# Altium PCB PFC_Stage.PcbDoc (part 1 of 5) (continued)
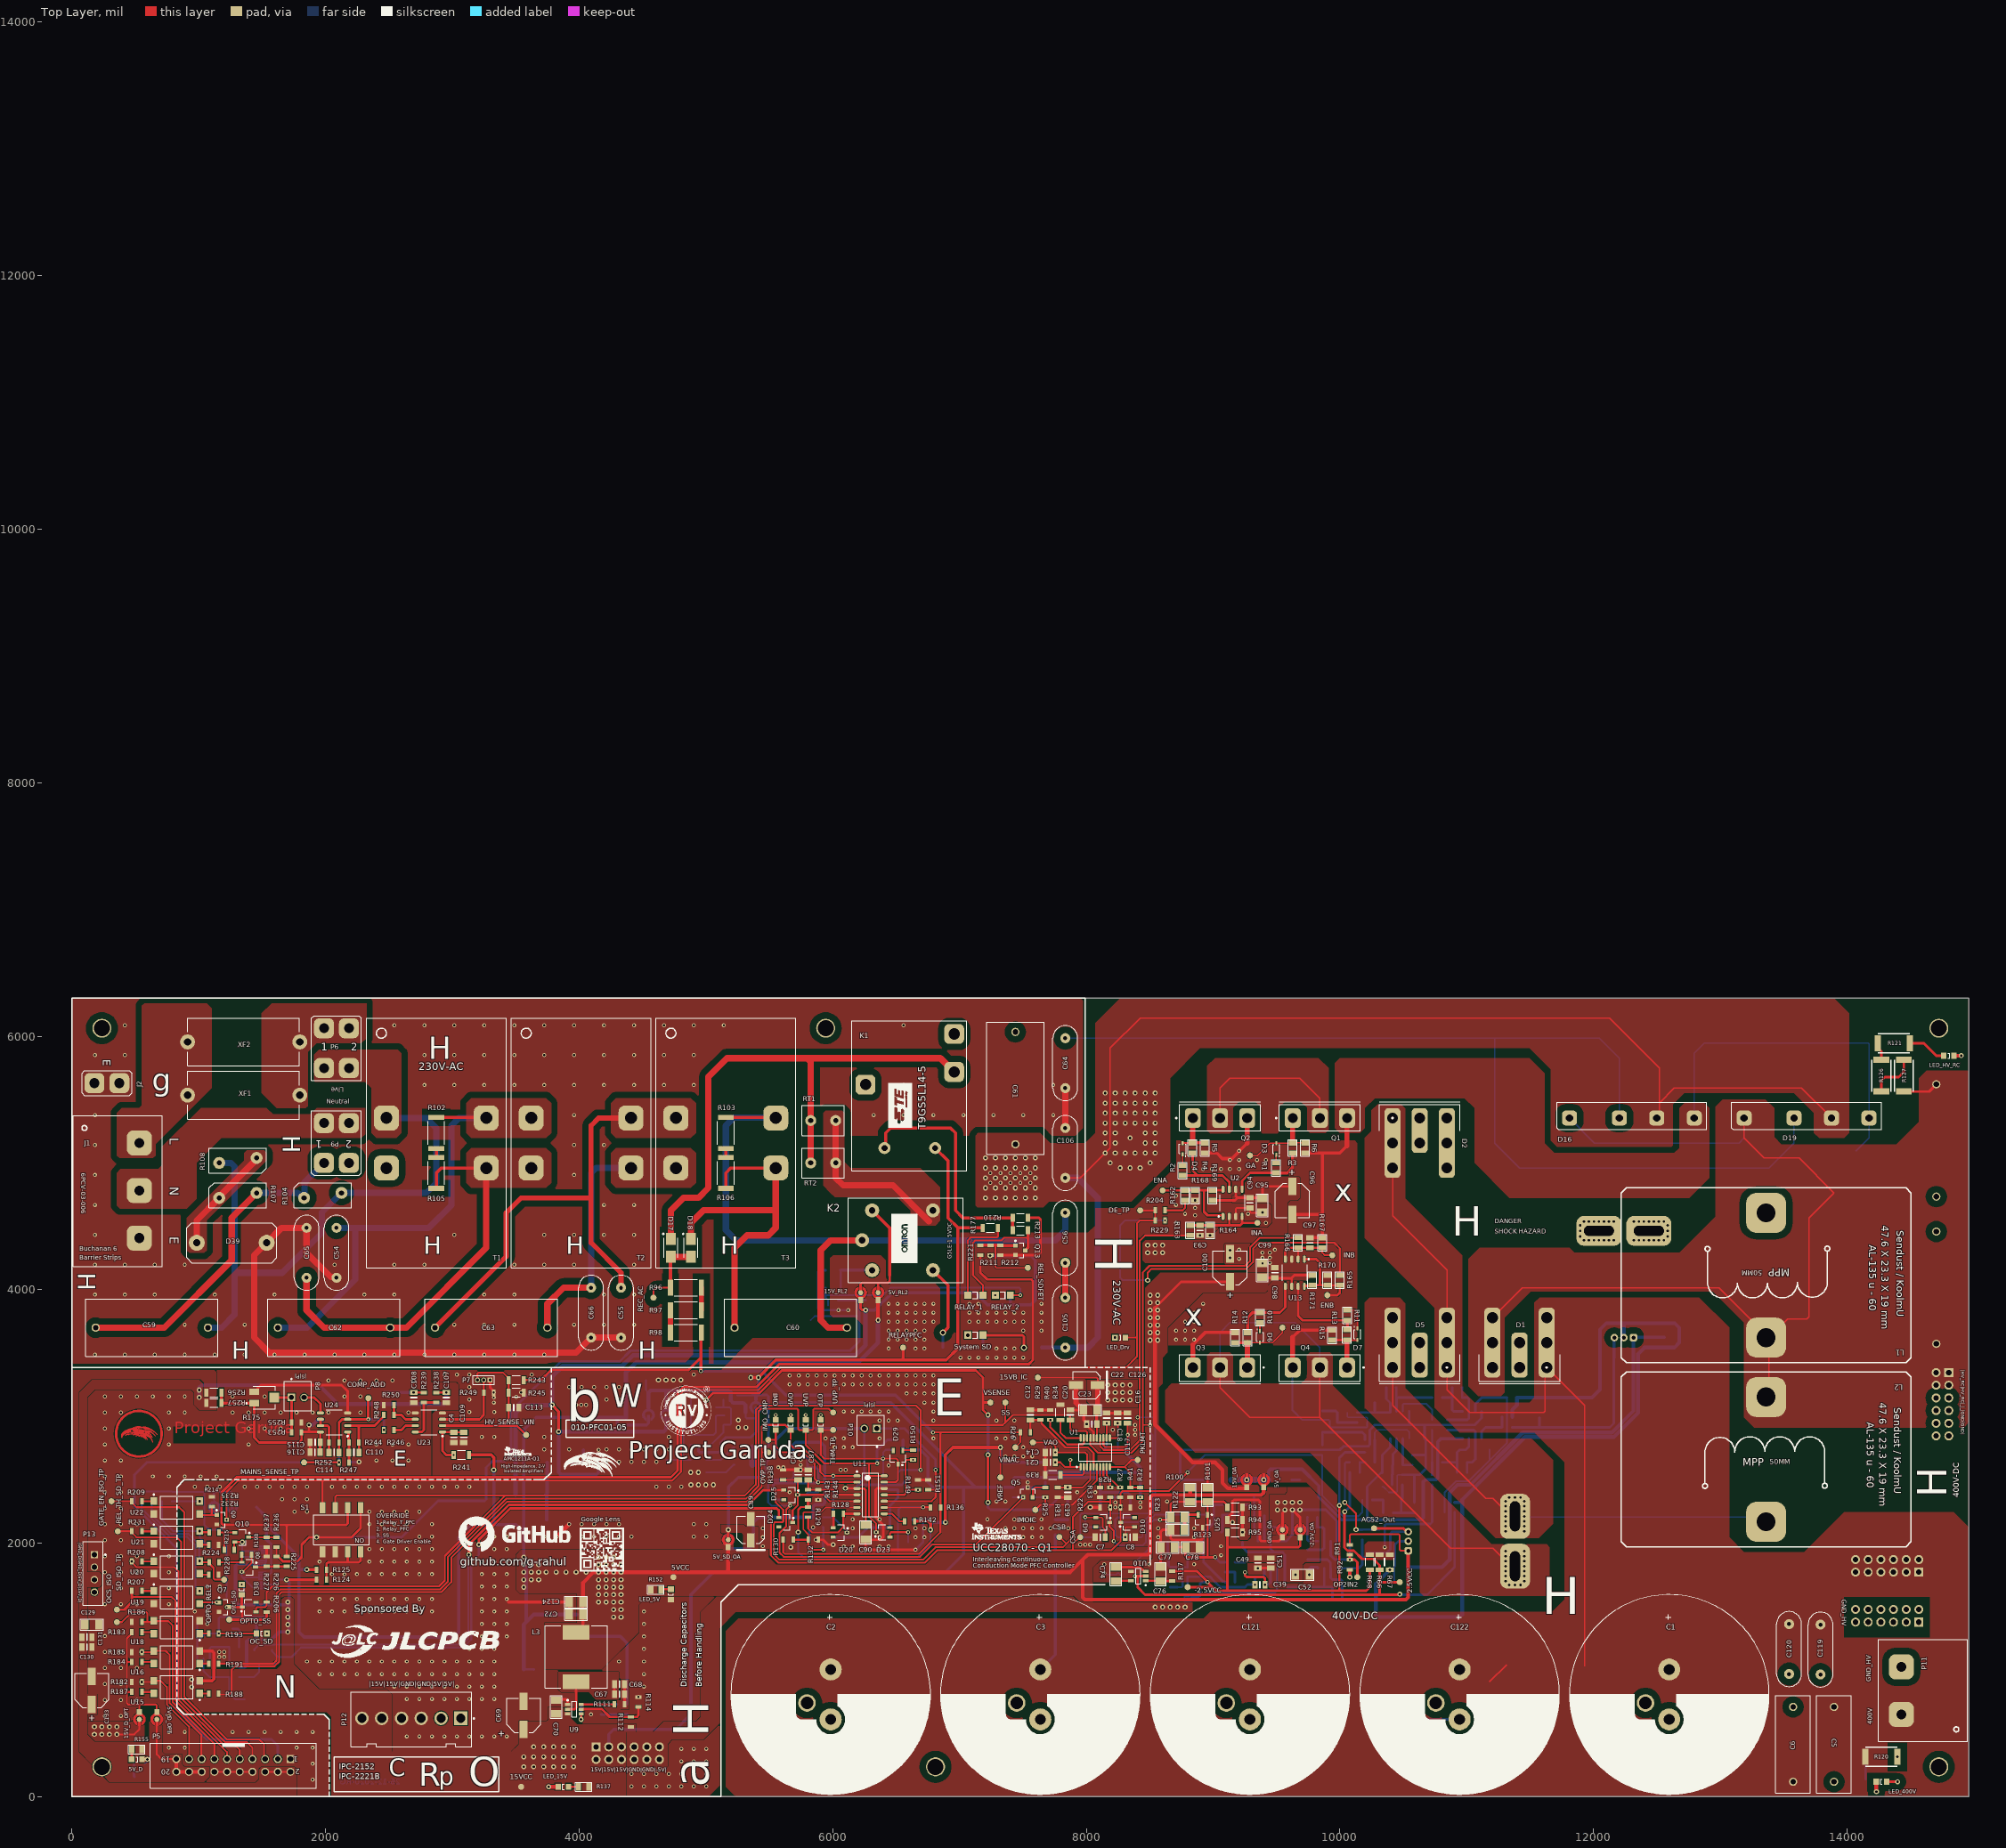
[diagram p0: Top Layer view]
## Components (designator, comment, footprint, x,y, rotation, side; value= is the part's Value field where it differs from the comment) (continued)
CSB "Test Point" Test_point_SMD 7787.4,2049.21 r0 top
D1 "Diode 10TQ035" INF-PG-TO247-2-MOD 11417.32,3385.83 r270 top
D2 "Diode 10TQ035" INF-PG-TO247-2-MOD 10629.92,5354.33 r90 top
D3 "BAS16W" SODFL250X110-2N 9498.99,5111.21 r270 top
D4 "BAS16W" SODFL250X110-2N 8760.49,5112.04 r270 top
D5 "Diode 10TQ035" INF-PG-TO247-2-MOD 10629.92,3385.83 r270 top
D6 "BAS16W" SODFL250X110-2N 9370.05,3628.43 r90 top
D7 "BAS16W" SODFL250X110-2N 10138.25,3648.43 r90 top
D8 "BAS16W" SOT95P278X110-3N 8129.92,2165.35 r0 bottom
D9 "BAS16W" SOT95P278X110-3N 8129.92,2165.35 r0 top
D10 "BAS16W" SOT95P278X110-3N 8326.77,2165.35 r180 top
D11 "BAS16W" SOT95P278X110-3N 8326.77,2165.35 r180 bottom
D12 "SS14" DIOM4226X22N 10413.39,2342.52 r0 bottom
D13 "SS14" DIOM4226X22N 9862.2,2972.44 r90 bottom
D14 "SS14" DIOM4226X22N 8720.47,1909.45 r0 bottom
D15 "SS14" DIOM4226X22N 8996.06,2086.61 r0 bottom
D16 "Bridge1" PB4010 11811.02,5354.33 r0 top
D17 "SS14" DIOM4226X22N 4724.41,4330.71 r90 top
D18 "SS14" DIOM4226X22N 4881.89,4330.71 r90 top
D19 "Bridge1" PB4010 13188.98,5354.33 r0 top
D20 "BAS16W" SOT95P278X110-3N 6058.07,2084.65 r0 top
D21 "BAT54" SOT95P278X110-3N 6058.07,2084.65 r0 bottom
D22 "BAT54" SOT95P278X110-3N 5669.29,2381.89 r0 bottom
D23 "BAS16W" SOT95P278X110-3N 6397.64,2086.61 r180 top
D24 "BAT54" SOT95P278X110-3N 5629.92,2165.35 r0 top
D25 "BAT54" SOT95P278X110-3N 5669.29,2381.89 r0 top
D26 "BAT54" SOT95P278X110-3N 5748.03,2598.43 r0 bottom
D27 "BAT54" SOT95P278X110-3N 6397.64,2086.61 r180 bottom
D28 "BAT54" SOT95P278X110-3N 6398.05,2475.14 r90 bottom
D29 "BAS16W" SOT95P278X110-3N 6515.75,2677.17 r270 top
D30 "SS14" DIOM4226X22N 7578.74,3543.31 r180 bottom
D31 "SS14" DIOM4226X22N 5295.28,2618.11 r180 bottom
D32 "SS14" DIOM4226X22N 5295.28,2755.91 r0 bottom
D35 "BAS16W" SOT95P278X110-3N 1212.94,1287.38 r180 bottom
D36 "BAT54" SOT95P278X110-3N 1476.38,1102.36 r270 bottom
D37 "BAT54" SOT95P278X110-3N 1614.17,1102.36 r270 bottom
D38 "BAT54" SOT95P278X110-3N 1397.64,1496.06 r180 top
D39 "Surge_arrestor" A81-A600X 984.25,4370.08 r0 top
DE_TP "Test Point" Test_point_SMD 8425.2,4625.98 r90 top
ENA "Test Point" Test_point_SMD 8602.36,4783.46 r0 top
ENB "Test Point" Test_point_SMD 9901.57,3956.69 r0 top
GA "Test Point" Test_point_SMD 9291.34,5059.06 r180 top
GATE_EN_ISO_TP "Test Point" Test_point_SMD 311.69,2331.44 r270 top
GB "Test Point" Test_point_SMD 9547.24,3700.79 r0 top
GND_OA "Open" "Solder Bridge - HP" 9547.24,2106.3 r90 top
HV_SENSE_VIN "Test Point" Test_point_SMD 3582.68,2854.33 r90 top
IMO "150080GS75000" 0805_A 5551.18,2933.07 r90 top
IMO_CMP "Test Point" Test_point_SMD 5492.13,2814.96 r90 top
IMOIC "Test Point" Test_point_SMD 7598.43,2263.78 r90 top
INA "Test Point" Test_point_SMD 9350.39,4527.56 r0 top
INB "Test Point" Test_point_SMD 9940.94,4271.65 r0 top
J1 "Header 3" BARRIER_STRIP_3 531.5,5157.48 r270 top
J2 "Socket" SPADE_PCB_TERMINAL_SINGLE 275.59,5629.92 r180 top
J3 "Socket" MOUNTING_HOLE_3MM 236.22,6062.99 r0 bottom
J4 "Socket" MOUNTING_HOLE_3MM 236.22,236.22 r180 bottom
J5 "Socket" MOUNTING_HOLE_3MM 14724.41,6062.99 r180 bottom
J6 "Socket" MOUNTING_HOLE_3MM 14724.41,236.22 r180 bottom
J7 "Socket" Mounting_hole_3mm_no_body 5944.88,6062.99 r180 bottom
J8 "Socket" Mounting_hole_3mm_no_body 6811.02,236.22 r180 bottom
K1 "Relay" Relay_T9GS5L14-5 6408.66,5117.72 r0 top
K2 "Relay" RELAY_OMRON_5V 6791.34,4153.54 r90 top locked
L1 "Transformer_Inductor" PFC_TOROID_MPP 13362.2,3622.05 r90 top
L2 "Transformer_Inductor" PFC_TOROID_MPP 13362.2,3153.54 r270 top
L3 "5.6uH" WE-PD-L 3976.38,1102.36 r90 top locked
LED_5V "150080BS75000" 0805_A 4724.41,1596.46 r90 top
LED_15V "150080GS75000" 0805_A 3875.98,78.74 r0 top
LED_400V "150080RS75000" 0805_A 14271.65,118.11 r0 top
LED_Drv "150080GS75000" 0805_A 8267.72,3622.05 r180 top
LED_HV_RC "150080RS75000" 0805_A 14803.15,5846.46 r180 top
MAINS_SENSE_TP "Test Point" Test_point_SMD 1830.71,2637.8 r90 top
OC_SD "150080GS75000" 0805_A 1496.06,1287.48 r0 top
OC_TRIP "Test Point" Test_point_SMD 990.38,1368.47 r90 bottom
OCS_ISO "Test Point" Test_point_SMD 354.33,1377.95 r270 top
OP1IN2 "Test Point" Test_point_SMD 11181.1,2736.22 r90 bottom
OP2IN2 "Test Point" Test_point_SMD 10137.8,1732.28 r90 top
OPT_REL2 "Test Point" Test_point_SMD 1102.36,1948.82 r0 bottom
OPTO_REL1 "Test Point" Test_point_SMD 1200.79,1712.6 r90 top
OPTO_SS "Test Point" Test_point_SMD 1240.16,1397.64 r90 top
OTP "150080GS75000" 0805_A 5905.51,2933.07 r90 top
OTP_REF "Test Point" Test_point_SMD 6633.86,2657.48 r90 bottom
OV_ISO "Test Point" Test_point_SMD 551.18,905.51 r90 bottom
OVP "150080GS75000" 0805_A 5669.29,2933.07 r90 top
OVP_TP "Test Point" Test_point_SMD 5492.13,2716.54 r90 top
P1 "Header 6X2H" STACKABLE-20MM 14803.15,3346.46 r270 bottom
P2 "Header 6X2H" STACKABLE-20MM 4133.86,393.7 r0 bottom
P3 "Header 6X2H" STACKABLE-20MM 14566.93,1771.65 r180 bottom
P4 "Header 6X2H" STACKABLE-20MM 14566.93,1377.95 r180 bottom
P5 "61202021621" 61202021621 1273.62,246.85 r180 top locked
P6 "Header 2" SPADE_PCB_TERMINAL 2086.61,5905.51 r0 top
P7 "MHDR1X3" MHDR1X3 3298.03,3287.4 r180 top
P8 "MHDR1X2" 61900211121 1780.71,3161.42 r180 top
P9 "Header 2" SPADE_PCB_TERMINAL 2086.61,5157.48 r180 top
P10 "NTC Connector" 61900211121 6299.21,2893.7 r0 top
P11 "Header 2" BARRIER_STRIP_2 14429.13,649.61 r90 top locked
P12 "645006114822" 645006114822 2677.17,610.24 r0 top
P13 "68800411622" 68800411622 165.35,1761.81 r270 top
PKLMT "Test Point" Test_point_SMD 8405.51,2657.48 r90 top
Q1 "SPW47N60C3" INF-PG-TO247-3-44#1 9842.52,5354.33 r90 top
Q2 "SPW47N60C3" INF-PG-TO247-3-44#1 9055.12,5354.33 r90 top
Q3 "SPW47N60C3" INF-PG-TO247-3-44#2 9055.12,3385.83 r270 top
Q4 "SPW47N60C3" INF-PG-TO247-3-44#1 9842.52,3385.83 r270 top
Q5 "ZXMN10A07FTA" DIOD-SOT23-3_D_V 7539.37,2401.57 r90 top
Q6 "BSS84P" SOT95P278X110-3N 5191.93,3167.32 r0 bottom
Q7 "ZXMN10A07FTA" DIOD-SOT23-3_D_V 1200.61,1496.06 r0 top
Q8 "BSS84P" SOT95P278X110-3N 1393.8,1812.43 r0 top
Q9 "ZXMN10A07FTA" DIOD-SOT23-3_D_V 1180.7,2185.77 r0 top
Q10 "BSS84P" SOT95P278X110-3N 1338.58,2047.24 r0 top
Q13 "ZXMN10A07FTA" DIOD-SOT23-3_D_V 7480.32,4311.02 r0 top
Q14 "ZXMN10A07FTA" DIOD-SOT23-3_D_V 6003.94,3877.95 r180 bottom
R1 "4.7" SMD-0805-RES 9497.9,4961.65 r180 top
R2 "4.7" SMD-0805-RES 8759.84,4940.94 r180 top
R3 "4.7" SMD-0805-RES 9625.98,5118.11 r180 top
R4 "4.7" SMD-0805-RES 8838.58,5118.11 r180 top
R5 "10k" SMD-0805-RES 8937.01,5118.11 r180 top
R6 "10k" SMD-0805-RES 9724.41,5118.11 r180 top
R7 "0.05Ohm" WRIS-KSKE_1206_H=0.6mm#1 7755.91,1889.76 r270 bottom
R8 "0.05Ohm" WRIS-KSKE_1206_H=0.6mm#1 7755.91,2125.98 r270 bottom
R9 "0.05Ohm" WRIS-KSKE_1206_H=0.6mm#1 7854.33,2244.09 r270 bottom
R10 "4.7" SMD-0805-RES 9370.08,3779.53 r0 top
R11 "4.7" SMD-0805-RES 10059.06,3799.21 r180 top
R12 "4.7" SMD-0805-RES 9271.65,3622.05 r0 top
R13 "4.7" SMD-0805-RES 10057.13,3643.7 r0 top
R14 "10k" SMD-0805-RES 9173.23,3622.05 r0 top
R15 "10k" SMD-0805-RES 9940.94,3641.73 r0 top
R16 "Res_0805" WRIS-KSKE_0805_H=0.6mm 8110.25,2047.24 r0 bottom value=2.49k
R17 "Res_0805" WRIS-KSKE_0805_H=0.6mm 8345.83,2047.24 r180 bottom value=2.49k
R18 "Res_1206" WRIS-KSKE_1206_H=0.6mm#1 7677.17,2421.26 r270 bottom value=232k
R19 "Res_0805" WRIS-KSKE_0805_H=0.6mm 8149.61,2283.46 r0 bottom value=PP
R20 "Res_0805" WRIS-KSKE_0805_H=0.6mm 8308.63,2283.46 r0 bottom value=PP
R21 "Res_0805" WRIS-KSKE_0805_H=0.6mm 7421.26,2401.57 r90 bottom value=1k
R22 "Res_0805" WRIS-KSKE_0805_H=0.6mm 8149.61,2283.46 r180 top value=PD
R23 "Res_0805" WRIS-KSKE_0805_H=0.6mm 8308.63,2283.46 r180 top value=PD
R24 "Res_0805" WRIS-KSKE_0805_H=0.6mm 7500,2401.57 r270 bottom value=1k
R25 "Res_0805" WRIS-KSKE_0805_H=0.6mm 7677.17,2401.57 r90 top value=1k
R26 "Res_0805" WRIS-KSKE_0805_H=0.6mm 7519.68,2874.02 r180 top value=JUMPER
R27 "Res_0805" WRIS-KSKE_0805_H=0.6mm 8267.72,2401.57 r90 top value=1k
R28 "Res_0805" WRIS-KSKE_0805_H=0.6mm 8188.98,2401.57 r270 top value=1k
R29 "Res_0805" WRIS-KSKE_0805_H=0.6mm 7637.8,3011.81 r90 top value=24k
R30 "Res_0805" WRIS-KSKE_0805_H=0.6mm 7854.33,2401.57 r270 bottom value=JUMPER
R31 "Res_0805" WRIS-KSKE_0805_H=0.6mm 7775.59,2400.94 r270 top value=24k
R32 "Res_0805" WRIS-KSKE_0805_H=0.6mm 8425.2,2401.57 r90 top value=3.65k
R33 "Res_0805" WRIS-KSKE_0805_H=0.6mm 8110.24,2401.57 r90 top value=5.9k
R34 "Res_1206" WRIS-KSKE_1206_H=0.6mm#1 7795.28,3032.48 r90 top value=34k
R35 "Res_0805" WRIS-KSKE_0805_H=0.6mm 7716.54,2795.28 r0 bottom value=121k
R36 "Res_0805" WRIS-KSKE_0805_H=0.6mm 8326.28,2987.01 r270 bottom value=4.75k
R37 "Res_0805" WRIS-KSKE_0805_H=0.6mm 8081.47,2988.47 r270 bottom value=4.75k
R38 "Res_0805" WRIS-KSKE_0805_H=0.6mm 7716.55,2637.8 r180 bottom value=JUMPER
R39 "Res_1206" WRIS-KSKE_1206_H=0.6mm#1 7736.22,2539.37 r180 top value=34k
R40 "Res_0805" WRIS-KSKE_0805_H=0.6mm 7716.54,3011.81 r90 top value=1k
R41 "Res_0805" WRIS-KSKE_0805_H=0.6mm 8346.46,2401.57 r270 top value=5.9k
R42 "Res_0805" WRIS-KSKE_0805_H=0.6mm 10571.7,2656.64 r90 bottom value=10K
R43 "Res_0805" WRIS-KSKE_0805_H=0.6mm 10458.98,2692.29 r0 bottom value=10K
R44 "Res_0805" WRIS-KSKE_0805_H=0.6mm 10767.72,3149.61 r0 bottom value=10K
R45 "Res_0805" WRIS-KSKE_0805_H=0.6mm 10405.45,3228.35 r0 bottom value=10K
R46 "Res_0805" WRIS-KSKE_0805_H=0.6mm 10925.2,3228.35 r180 bottom value=JUMPER
R47 "Res_0805" WRIS-KSKE_0805_H=0.6mm 10381.97,2240.79 r180 bottom value=JUMPER
R48 "Res_0805" WRIS-KSKE_0805_H=0.6mm 9980.32,2913.39 r270 bottom value=JUMPER
R49 "Res_0805" WRIS-KSKE_0805_H=0.6mm 10452.76,2460.63 r0 bottom value=JUMPER
R50 "Res_0805" WRIS-KSKE_0805_H=0.6mm 10137.8,2992.13 r270 bottom value=JUMPER
R51 "Res_0805" WRIS-KSKE_0805_H=0.6mm 10236.22,2814.96 r180 bottom value=10K
R52 "Res_0805" WRIS-KSKE_0805_H=0.6mm 10846.46,2933.07 r90 bottom value=JUMPER
R53 "Res_0805" WRIS-KSKE_0805_H=0.6mm 10452.76,2539.37 r0 bottom value=100K
R54 "Res_0805" WRIS-KSKE_0805_H=0.6mm 10216.54,2992.13 r270 bottom value=100K
R55 "Res_0805" WRIS-KSKE_0805_H=0.6mm 9862.2,2736.22 r90 bottom value=JUMPER
R56 "Res_0805" WRIS-KSKE_0805_H=0.6mm 10216.54,2342.52 r0 bottom value=JUMPER
R57 "Res_0805" WRIS-KSKE_0805_H=0.6mm 10236.22,2716.54 r180 bottom value=10K
R58 "Res_0805" WRIS-KSKE_0805_H=0.6mm 10964.57,2559.06 r0 bottom value=1K
R59 "Res_0805" WRIS-KSKE_0805_H=0.6mm 10767.72,2637.8 r0 bottom value=10K
R60 "Res_0805" WRIS-KSKE_0805_H=0.6mm 10728.35,2500 r90 bottom value=10K
R61 "Res_0805" WRIS-KSKE_0805_H=0.6mm 10118.11,2559.06 r0 bottom value=JUMPER
R62 "Res_0805" WRIS-KSKE_0805_H=0.6mm 10236.22,2637.8 r180 bottom value=10K
R63 "Res_0805" WRIS-KSKE_0805_H=0.6mm 10118.11,2637.8 r0 bottom value=JUMPER
R64 "Res_0805" WRIS-KSKE_0805_H=0.6mm 10866.14,2244.09 r0 bottom value=1K
R65 "Res_0805" WRIS-KSKE_0805_H=0.6mm 10866.14,2322.83 r180 bottom value=1K
R66 "Res_1206" WRIS-KSKE_1206_H=0.6mm#1 10314.96,1850.39 r90 top value=JUMPER
R67 "Res_1206" WRIS-KSKE_1206_H=0.6mm#1 10393.7,1850.39 r90 top value=JUMPER
R68 "Res_1206" WRIS-KSKE_1206_H=0.6mm#1 10236.22,1850.39 r90 top value=JUMPER
R69 "Res_0805" WRIS-KSKE_0805_H=0.6mm 9251.97,1811.02 r90 bottom value=10K
R70 "Res_0805" WRIS-KSKE_0805_H=0.6mm 9370.07,1673.23 r0 bottom value=10K
R71 "Res_0805" WRIS-KSKE_0805_H=0.6mm 9625.98,2125.98 r0 bottom value=10K
R72 "Res_0805" WRIS-KSKE_0805_H=0.6mm 9364.76,2125.98 r0 bottom value=10K
R73 "Res_0805" WRIS-KSKE_0805_H=0.6mm 9783.46,2204.72 r180 bottom value=JUMPER
R74 "Res_0805" WRIS-KSKE_0805_H=0.6mm 8759.84,1811.02 r180 bottom value=JUMPER
R75 "Res_0805" WRIS-KSKE_0805_H=0.6mm 9074.8,2263.78 r90 bottom value=JUMPER
R76 "Res_0805" WRIS-KSKE_0805_H=0.6mm 8759.84,1653.54 r180 bottom value=JUMPER
R77 "Res_0805" WRIS-KSKE_0805_H=0.6mm 9232.28,2263.78 r270 bottom value=JUMPER
R78 "Res_0805" WRIS-KSKE_0805_H=0.6mm 9094.49,1653.54 r90 bottom value=10K
R79 "Res_0805" WRIS-KSKE_0805_H=0.6mm 9744.09,1909.45 r90 bottom value=JUMPER
R80 "Res_0805" WRIS-KSKE_0805_H=0.6mm 8759.84,1732.28 r180 bottom value=100K
R81 "Res_0805" WRIS-KSKE_0805_H=0.6mm 9364.76,2299.67 r0 bottom value=100K
R82 "Res_0805" WRIS-KSKE_0805_H=0.6mm 8937.01,2263.78 r90 bottom value=JUMPER
R83 "Res_0805" WRIS-KSKE_0805_H=0.6mm 8641.73,2047.24 r270 bottom value=JUMPER
R84 "Res_0805" WRIS-KSKE_0805_H=0.6mm 8956.69,1653.54 r90 bottom value=10K
R85 "Res_0805" WRIS-KSKE_0805_H=0.6mm 9980.32,1574.8 r0 bottom value=1K
R86 "Res_0805" WRIS-KSKE_0805_H=0.6mm 9704.72,1653.54 r0 bottom value=10K
R87 "Res_0805" WRIS-KSKE_0805_H=0.6mm 9232.28,2047.24 r270 bottom value=10K
R88 "Res_0805" WRIS-KSKE_0805_H=0.6mm 9094.49,1811.02 r270 bottom value=JUMPER
R89 "Res_0805" WRIS-KSKE_0805_H=0.6mm 9173.23,1653.54 r90 bottom value=10K
R90 "Res_0805" WRIS-KSKE_0805_H=0.6mm 9173.23,1811.02 r270 bottom value=JUMPER
R91 "Res_0805" WRIS-KSKE_0805_H=0.6mm 10078.74,1948.5 r90 top value=1K
R92 "Res_0805" WRIS-KSKE_0805_H=0.6mm 10078.74,1830.71 r90 top value=1K
R93 "Res_1206" WRIS-KSKE_1206_H=0.6mm#1 9173.23,2283.46 r0 top value=JUMPER
R94 "Res_1206" WRIS-KSKE_1206_H=0.6mm#1 9173.23,2185.04 r0 top value=JUMPER
R95 "Res_1206" WRIS-KSKE_1206_H=0.6mm#1 9173.23,2086.61 r0 top value=JUMPER
R96 "Res_2512" WRIS-KSKE_2512_H=0.6mm 4842.52,4015.75 r180 top value=1M
R97 "Res_2512" WRIS-KSKE_2512_H=0.6mm 4842.52,3838.58 r0 top value=1M
R98 "Res_2512" WRIS-KSKE_2512_H=0.6mm 4842.52,3661.42 r180 top value=1M
R99 "Res_0805" WRIS-KSKE_0805_H=0.6mm 10728.35,2933.07 r90 bottom value=JUMPER
R100 "470" SMD-1206-RES 8818.9,2381.89 r0 top
R101 "470" SMD-1206-RES 8956.69,2381.89 r180 top
R102 "Res_2512" WRIS-KSKE_2512_H=0.6mm 2874.02,5236.22 r270 top value=1M
R103 "Res_2512" WRIS-KSKE_2512_H=0.6mm 5157.48,5236.22 r270 top value=1M
R104 "Res Varistor" MOV-14D391K 1830.71,4724.41 r0 top
R105 "Res_2512" WRIS-KSKE_2512_H=0.6mm 2874.02,4921.26 r270 top value=1M
R106 "Res_2512" WRIS-KSKE_2512_H=0.6mm 5157.48,4921.26 r270 top value=1M
R107 "Res Varistor" MOV-14D391K 1161.42,4724.41 r0 top
R108 "Res Varistor" MOV-14D391K 1456.69,5039.37 r180 top
R109 "Res_1206" WRIS-KSKE_1206_H=0.6mm#1 3562.99,945.87 r90 bottom value=JUMPER
R110 "Res_1206" WRIS-KSKE_1206_H=0.6mm#1 3641.73,944.88 r90 bottom value=JUMPER
R111 "Res_0805" WRIS-KSKE_0805_H=0.6mm 4318.9,730.32 r180 top value=105K
R112 "Res_0805" WRIS-KSKE_0805_H=0.6mm 4409.45,590.55 r270 top value=15.49K
R113 "Res_0805" WRIS-KSKE_0805_H=0.6mm 4378.58,690.94 r90 bottom value=100K
R114 "Res_0805" WRIS-KSKE_0805_H=0.6mm 4468.5,748.03 r270 top value=5.49K
R115 "Res_0805" WRIS-KSKE_0805_H=0.6mm 4173.23,688.97 r270 bottom value=49.9K
R116 "Res_0805" WRIS-KSKE_0805_H=0.6mm 4094.49,688.98 r90 bottom value=13.3K
R117 "Res_0805" WRIS-KSKE_0805_H=0.6mm 8677,1740.78 r90 top value=JUMPER
R118 "13k" SMD-2512-RES 14271.65,137.8 r180 bottom
R119 "13k" SMD-2512-RES 14271.65,314.96 r0 bottom
R120 "13k" SMD-2512-RES 14271.65,314.96 r180 top
R121 "13k" SMD-2512-RES 14370.08,5944.88 r180 top
R122 "10k" SMD-1206-RES 8720.47,2204.72 r270 top
R123 "10k" SMD-1206-RES 8720.47,2106.3 r270 top
R124 "Res_0805" WRIS-KSKE_0805_H=0.6mm 1968.5,1712.6 r0 top value=1k
R125 "Res_0805" WRIS-KSKE_0805_H=0.6mm 1968.5,1791.34 r0 top value=1k
R126 "13k" SMD-2512-RES 14271.65,5688.98 r270 top
R127 "13k" SMD-2512-RES 14448.82,5688.98 r270 top
R128 "Res_0805" WRIS-KSKE_0805_H=0.6mm 6045.27,2231.28 r0 top value=200k
R129 "Res_0805" WRIS-KSKE_0805_H=0.6mm 5807.09,2245.67 r90 top value=10k
R130 "Res_0805" WRIS-KSKE_0805_H=0.6mm 5649.61,2027.56 r0 top value=100k
R131 "Res_0805" WRIS-KSKE_0805_H=0.6mm 5885.83,2204.72 r0 bottom value=1k
R132 "Res_0805" WRIS-KSKE_0805_H=0.6mm 5846.46,2027.56 r0 top value=47k
R133 "10k" WRIS-KSKE_0805_H=0.6mm 5669.29,3070.87 r270 bottom
R134 "Res_0805" WRIS-KSKE_0805_H=0.6mm 5531.5,2381.89 r270 bottom value=100k
R135 "Res_0805" WRIS-KSKE_0805_H=0.6mm 6555.12,2007.87 r180 bottom value=32
R136 "Res_0805" WRIS-KSKE_0805_H=0.6mm 6811.02,2283.46 r180 top value=100k
R137 "4.7k" SMD-0805-RES 4035.43,78.74 r270 top
R138 "Res_0805" WRIS-KSKE_0805_H=0.6mm 5610.24,2539.37 r90 top value=100k
R139 "Res_0805" WRIS-KSKE_0805_H=0.6mm 5728.35,2716.54 r0 bottom value=1k
R140 "Res_0805" WRIS-KSKE_0805_H=0.6mm 6771.65,2244.09 r270 bottom value=47k
R141 "Res_0805" WRIS-KSKE_0805_H=0.6mm 6515.75,2814.96 r180 bottom value=1k
R142 "Res_0805" WRIS-KSKE_0805_H=0.6mm 6606.95,2173.44 r0 top value=10k
R143 "Res_0805" WRIS-KSKE_0805_H=0.6mm 5807.09,2381.89 r90 top value=10k
R144 "Res_0805" WRIS-KSKE_0805_H=0.6mm 5885.83,2381.89 r270 top value=1k
R145 "10k" WRIS-KSKE_0805_H=0.6mm 5551.18,3070.87 r270 bottom
R146 "10k" WRIS-KSKE_0805_H=0.6mm 5787.4,3070.87 r270 bottom
R147 "Res_0805" WRIS-KSKE_0805_H=0.6mm 6594.49,2460.63 r90 bottom value=5.1k
R148 "Res_0805" WRIS-KSKE_0805_H=0.6mm 6515.75,2736.22 r180 bottom value=10k
R149 "Res_0805" WRIS-KSKE_0805_H=0.6mm 6673.23,2460.63 r270 top value=12k
R150 "Res_0805" WRIS-KSKE_0805_H=0.6mm 6633.86,2696.85 r270 top value=10k
R151 "Res_0805" WRIS-KSKE_0805_H=0.6mm 6751.97,2460.63 r270 top value=12k
R152 "4.7k" SMD-0805-RES 4606.3,1633.86 r90 top
R153 "4.7k" SMD-0805-RES 1397.64,1574.8 r90 bottom
R154 "10k" WRIS-KSKE_0805_H=0.6mm 5905.51,3070.87 r270 bottom
R155 "4.7k" SMD-0805-RES 511.81,374.02 r270 top
R156 "Res_1206" WRIS-KSKE_1206_H=0.6mm#1 4940.94,2775.59 r180 bottom value=4.7k
R157 "Res_1206" WRIS-KSKE_1206_H=0.6mm#1 4940.94,3129.92 r0 bottom value=4.7k
R158 "Res_1206" WRIS-KSKE_1206_H=0.6mm#1 4940.94,2913.39 r180 bottom value=4.7k
R159 "Res_1206" WRIS-KSKE_1206_H=0.6mm#2 4940.94,2559.06 r0 bottom value=200e
R160 "Res_1206" WRIS-KSKE_1206_H=0.6mm#1 4940.94,2657.48 r180 bottom value=1.5M
R161 "Res_0805" WRIS-KSKE_0805_H=0.6mm 6515.75,2460.63 r270 bottom value=JUMPER
R162 "F" SMD-0805-RES 8779.53,4744.09 r0 top value=6.8
R163 "F" SMD-0805-RES 8818.9,4468.5 r180 top value=6.8
R164 "PP" SMD-0805-RES 8976.38,4468.5 r180 top value=6.8
R165 "F" SMD-0805-RES 10000,4074.8 r180 top value=6.8
R166 "F" SMD-0805-RES 9670.52,4370.7 r0 top value=6.8
R167 "PP" SMD-0805-RES 9862.2,4370.08 r0 top value=6.8
R168 "F" SMD-0805-RES 8858.27,4744.09 r0 top value=6.8
R169 "F" SMD-0805-RES 8996.06,4744.09 r0 top value=6.8
R170 "F" SMD-0805-RES 9901.57,4074.8 r180 top value=6.8
R171 "F" SMD-0805-RES 9783.46,4074.8 r180 top value=6.8
R172 "3.3Ohm" WRIS-KSKE_1206_H=0.6mm#1 6929.13,3543.31 r0 bottom
R173 "3.3Ohm" WRIS-KSKE_1206_H=0.6mm#1 7125.98,3543.31 r0 bottom
R174 "3.3Ohm" WRIS-KSKE_1206_H=0.6mm#1 7125.98,3641.73 r180 bottom
R175 "3314J-1-502E" BOUR-3314J-1_V 1515.75,3149.61 r90 top
R176 "Res_0805" WRIS-KSKE_0805_H=0.6mm 11318.9,2913.39 r0 bottom value=1K
R177 "3.3Ohm" WRIS-KSKE_1206_H=0.6mm#1 7243.11,4488.19 r0 top
R178 "3.3Ohm" WRIS-KSKE_1206_H=0.6mm#1 7342.52,3956.69 r180 bottom
R179 "Res_2512" WRIS-KSKE_2512_H=0.6mm 3622.05,2381.89 r180 bottom value=1M
R180 "4.7k" SMD-0805-RES 492.13,118.11 r0 bottom
R181 "4.7k" SMD-0805-RES 8267.72,3622.05 r90 bottom
R182 "1Ohm" WRIS-KSKE_0805_H=0.6mm 511.81,905.51 r0 top
R183 "1Ohm" WRIS-KSKE_0805_H=0.6mm 511.81,1299.21 r180 top
R184 "1Ohm" WRIS-KSKE_0805_H=0.6mm 511.81,1062.99 r180 top
R185 "1Ohm" WRIS-KSKE_0805_H=0.6mm 511.81,1141.73 r0 top
R186 "1Ohm" WRIS-KSKE_0805_H=0.6mm 511.81,1377.95 r180 top
R187 "1Ohm" WRIS-KSKE_0805_H=0.6mm 511.81,826.77 r0 top
R188 "1Ohm" WRIS-KSKE_0805_H=0.6mm 1118,814.96 r180 top
R189 "Res_0805" WRIS-KSKE_0805_H=0.6mm 1279.53,1181.1 r180 bottom value=200k
R190 "Res_0805" WRIS-KSKE_0805_H=0.6mm 1279.53,1023.62 r0 bottom value=10k
R191 "1Ohm" WRIS-KSKE_0805_H=0.6mm 1118,1050.71 r180 top
R192 "Res_0805" WRIS-KSKE_0805_H=0.6mm 1279.53,1102.36 r180 bottom value=10k
R193 "1Ohm" WRIS-KSKE_0805_H=0.6mm 1118,1287.48 r180 top
R194 "Res_0805" WRIS-KSKE_0805_H=0.6mm 1279.53,944.88 r180 bottom value=100k
R195 "Res_0805" WRIS-KSKE_0805_H=0.6mm 1496.06,1358.27 r0 bottom value=1k
R196 "Res_0805" WRIS-KSKE_0805_H=0.6mm 1279.53,866.14 r0 bottom value=47k
R197 "10k" WRIS-KSKE_0805_H=0.6mm 1496.06,1287.48 r0 bottom
R198 "Res_0805" WRIS-KSKE_0805_H=0.6mm 1377.95,1909.45 r0 top value=1k
R199 "Res_0805" WRIS-KSKE_0805_H=0.6mm 1102.36,1535.43 r0 bottom value=1k
R200 "1Ohm" WRIS-KSKE_0805_H=0.6mm 551.18,2368.11 r90 bottom
R201 "1Ohm" WRIS-KSKE_0805_H=0.6mm 629.92,2368.11 r90 bottom
R202 "1Ohm" WRIS-KSKE_0805_H=0.6mm 787.4,2368.11 r90 bottom
R203 "1Ohm" WRIS-KSKE_0805_H=0.6mm 1220.47,1535.43 r90 bottom
R204 "Res_0805" WRIS-KSKE_0805_H=0.6mm 8582.68,4625.98 r180 top value=JUMPER
R205 "1Ohm" WRIS-KSKE_0805_H=0.6mm 1220.47,2145.67 r270 bottom
R206 "Res_0805" WRIS-KSKE_0805_H=0.6mm 1535.43,1496.06 r270 top value=JUMPER
R207 "1Ohm" WRIS-KSKE_0805_H=0.6mm 511.81,1623.53 r180 top
R208 "1Ohm" WRIS-KSKE_0805_H=0.6mm 511.81,1858 r180 top
R209 "1Ohm" WRIS-KSKE_0805_H=0.6mm 511.81,2331.44 r180 top
R210 "Res_1206" WRIS-KSKE_1206_H=0.6mm#1 7480.32,4566.93 r180 top value=232k
R211 "Res_0805" WRIS-KSKE_0805_H=0.6mm 7244.09,4311.02 r270 top value=1k
R212 "Res_0805" WRIS-KSKE_0805_H=0.6mm 7322.83,4311.02 r90 top value=1k
R213 "Res_1206" WRIS-KSKE_1206_H=0.6mm#1 7480.32,4468.5 r180 top value=232k
R214 "Res_0805" WRIS-KSKE_0805_H=0.6mm 1102.36,2326.74 r270 top value=1k
R215 "Res_0805" WRIS-KSKE_0805_H=0.6mm 1240.16,1948.82 r0 top value=1k
R217 "Res_1206" WRIS-KSKE_1206_H=0.6mm#1 6003.94,4015.75 r180 bottom value=232k
R218 "Res_0805" WRIS-KSKE_0805_H=0.6mm 6122.05,3877.95 r90 bottom value=1k
R219 "Res_0805" WRIS-KSKE_0805_H=0.6mm 6259.84,3877.95 r270 bottom value=1k
R220 "Res_1206" WRIS-KSKE_1206_H=0.6mm#1 6003.94,4153.54 r0 bottom value=232k
R221 "Res_0805" WRIS-KSKE_0805_H=0.6mm 7165.35,4311.02 r90 top value=1k
R224 "Res_0805" WRIS-KSKE_0805_H=0.6mm 1122.05,1850.39 r0 top value=1k
R225 "Res_0805" WRIS-KSKE_0805_H=0.6mm 1692.91,1856.3 r90 top value=1k
R226 "Res_0805" WRIS-KSKE_0805_H=0.6mm 1614.17,1856.3 r90 top value=1k
R227 "Res_0805" WRIS-KSKE_0805_H=0.6mm 1535.43,1856.3 r90 top value=1k
R228 "1Ohm" WRIS-KSKE_0805_H=0.6mm 1118,1751.97 r180 top
R229 "Res_0805" WRIS-KSKE_0805_H=0.6mm 8582.68,4547.24 r180 top value=JUMPER
R230 "1Ohm" WRIS-KSKE_0805_H=0.6mm 708.66,2368.11 r90 bottom
R231 "1Ohm" WRIS-KSKE_0805_H=0.6mm 511.81,2094.07 r180 top
R232 "1Ohm" WRIS-KSKE_0805_H=0.6mm 1118,1988.19 r180 top
R235 "Res_0805" WRIS-KSKE_0805_H=0.6mm 1122.05,2086.61 r0 top value=1k
R236 "Res_0805" WRIS-KSKE_0805_H=0.6mm 1614.17,2007.87 r270 top value=1k
R237 "Res_0805" WRIS-KSKE_0805_H=0.6mm 1535.43,2007.87 r270 top value=1k
R238 "Res_0805" WRIS-KSKE_0805_H=0.6mm 2874.02,3149.61 r270 top value=JUMPER
R239 "Res_0805" WRIS-KSKE_0805_H=0.6mm 2775.59,3149.61 r270 top value=JUMPER
R240 "3.3Ohm" WRIS-KSKE_1206_H=0.6mm#1 4094.49,2637.8 r0 bottom
R241 "Res_1206" WRIS-KSKE_1206_H=0.6mm#1 3070.87,2696.85 r0 top value=232k
R242 "3.3Ohm" WRIS-KSKE_1206_H=0.6mm#1 4094.49,2736.22 r180 bottom
R243 "Res_1206" WRIS-KSKE_1206_H=0.6mm#1 3503.94,3287.4 r0 top value=232k
R244 "Res_0805" WRIS-KSKE_0805_H=0.6mm 2224.41,2795.28 r180 top value=10K
R245 "Res_1206" WRIS-KSKE_1206_H=0.6mm#1 3503.94,3188.98 r180 top value=232k
R246 "Res_0805" WRIS-KSKE_0805_H=0.6mm 2500,2893.7 r180 top value=10K
R247 "Res_0805" WRIS-KSKE_0805_H=0.6mm 2145.67,2637.8 r180 top value=100K
R248 "Res_0805" WRIS-KSKE_0805_H=0.6mm 2500,3011.81 r180 top value=10K
R249 "Res_0805" WRIS-KSKE_0805_H=0.6mm 3287.4,3188.98 r0 top value=JUMPER
R250 "Res_0805" WRIS-KSKE_0805_H=0.6mm 2500,3090.55 r180 top value=JUMPER
R251 "Res_0805" WRIS-KSKE_0805_H=0.6mm 2145.67,2637.8 r0 bottom value=JUMPER
R252 "Res_0805" WRIS-KSKE_0805_H=0.6mm 2066.93,2795.28 r180 top value=10K
R253 "Res_0805" WRIS-KSKE_0805_H=0.6mm 1771.65,2874.02 r180 top value=10K
R255 "Res_0805" WRIS-KSKE_0805_H=0.6mm 1771.65,2952.76 r0 top value=1.1K
R256 "Res_1206" WRIS-KSKE_1206_H=0.6mm#1 1120.14,3188.98 r180 top value=232k
R257 "Res_1206" WRIS-KSKE_1206_H=0.6mm#1 1120.14,3106.63 r180 top value=232k
RD_Bypass "Open" "Solder Bridge - HP" 5393.7,3070.87 r270 bottom
RDFET "Test Point" Test_point_SMD 4527.56,3287.4 r90 bottom
RDG "Test Point" Test_point_SMD 5078.74,3070.87 r180 bottom
RDSH "Test Point" Test_point_SMD 4685.04,2657.48 r90 bottom
REC_AC "Test Point" Test_point_SMD 4586.61,3937.01 r90 top
REL_ISO_TP "Test Point" Test_point_SMD 472.44,1858 r90 bottom
REL_SDFET "Test Point" Test_point_SMD 7539.37,4173.23 r90 top
REL_TH_SD_TP "Test Point" Test_point_SMD 361.29,2094.07 r90 top
RELAY_1 "150120VS75000" 1206_A 7125.98,3956.69 r180 top
RELAY_2 "150120VS75000" 1206_A 7342.52,3956.69 r180 top
RELAYPFC "Test Point" Test_point_SMD 6555.12,3543.31 r90 top
RT "Test Point" Test_point_SMD 7716.54,2972.44 r180 bottom
RT1 "Res Thermal" NTC-5D-7 5826.77,5334.65 r0 top
RT2 "Res Thermal" NTC-5D-7 5826.77,5000 r0 top
S1 "418121270804" 418121270804 2125.98,2106.3 r180 top
SB1 "Open" "Solder Bridge - HP - SQ" 8799.2,1566.12 r0 bottom
SD_ISO_TP "Test Point" Test_point_SMD 354.33,1476.38 r90 top
SS "Test Point" Test_point_SMD 7362.2,3110.24 r0 top
"System SD" "150120VS75000" 1206_A 7125.98,3641.73 r180 top
T1 "Common Mode Choke" CHOKE_40MM 2480.31,5354.33 r0 top locked
T2 "Common Mode Choke" CHOKE_40MM 3622.05,5354.33 r0 top locked
T3 "Common Mode Choke" CHOKE_40MM 4763.78,5354.33 r0 top locked
THM_TP "Test Point" Test_point_SMD 6003.94,2893.7 r90 top
TREL_SDFET "Test Point" Test_point_SMD 5826.77,3759.84 r0 bottom
U1 "UCC28070APW" TSOP65P640X120_HS-21N 8070.87,2716.54 r90 top
U2 "UCC27524A-Q1" "SOIC127P570X175_HS-9N - No Thermal" 9153.54,4685.04 r90 top locked
U3 "MCP602-I/SN" "SOIC127P570X175_HS-9N - NO THERMAL" 11043.31,2933.07 r270 bottom
U4 "MCP602-I/SN" "SOIC127P570X175_HS-9N - NO THERMAL" 10472.44,2933.07 r270 bottom locked
U5 "ACS758" XDCR_ACS758 12240.55,3622.05 r180 bottom locked
U6 "MCP602-I/SN" "SOIC127P570X175_HS-9N - NO THERMAL" 9901.57,1909.45 r270 bottom
U7 "MCP602-I/SN" "SOIC127P570X175_HS-9N - NO THERMAL" 9429.13,1909.45 r270 bottom
U8 "ACS758" XDCR_ACS758 10539.37,2015.75 r90 bottom locked
U9 "TPS54302DDCR" SOT95P278X110-6N 3963.31,690.65 r0 top value=Value
U10 "TPS60403DBVT" DBV0005A_M 8410.43,1741.09 r180 top
U11 "LM339DR2G" SOIC127P600X265-14N 6299.21,2381.89 r0 top
U12 "TL431ACDBZR" DBZ0003A_M 5196.85,2972.44 r0 bottom
U13 "UCC27524A-Q1" "SOIC127P570X175_HS-9N - No Thermal" 9645.67,4133.86 r270 top
U14 "LM317AEMP/NOPB" DCY0004A_L 3838.58,2758.86 r90 bottom
U15 "FOD817ASD" FAIR-MDIP-4_V 826.77,864.57 r180 top
U16 "FOD817ASD" FAIR-MDIP-4_V 826.77,1100.79 r180 top
U17 "LM393DT" "SOIC127P570X175_HS-9N - No Thermal" 1062.99,984.25 r270 bottom
U18 "FOD817ASD" FAIR-MDIP-4_V 826.77,1337.01 r180 top
U19 "FOD817ASD" FAIR-MDIP-4_V 826.77,1573.23 r0 top
U20 "FOD817ASD" FAIR-MDIP-4_V 826.77,1809.45 r0 top
U21 "FOD817ASD" FAIR-MDIP-4_V 826.77,2045.67 r0 top
U22 "FOD817ASD" FAIR-MDIP-4_V 826.77,2281.89 r0 top
U23 "AMC1211-Q1" "SOIC127P570X175_HS-9N - No Thermal" 2814.96,2952.76 r180 top
U24 "MCP602-I/SN" "SOIC127P570X175_HS-9N - NO THERMAL" 2066.93,2952.76 r180 top
U25 "TL431AQDBZR" DBZ0003A_M 8919.29,2173.23 r270 top
UV_ISO "Test Point" Test_point_SMD 551.18,1141.73 r90 bottom
UVP "150080GS75000" 0805_A 5787.4,2933.07 r90 top
UVP_TP "Test Point" Test_point_SMD 6003.94,3031.5 r90 top
VAO "Test Point" Test_point_SMD 7578.74,2795.28 r0 top
VINAC "Test Point" Test_point_SMD 7440.94,2755.91 r90 top
VR2 "LD1117-3.3" SOT230P700X180-4N 2578.74,3188.98 r180 bottom
VREF "Test Point" Test_point_SMD 7322.83,2519.68 r90 top
VSENSE "Test Point" Test_point_SMD 7244.09,3110.24 r90 top
XF1 "696103201002" 696103201002 1354.41,5954.76 r0 top
XF2 "696103201002" 696103201002 1354.41,5534.75 r0 top

## Footprints (in the part's own frame and the unit in brackets; to place one, negate y for a bottom-side part, rotate by r counter-clockwise, add the part's x,y. Pads: shape width x height; smd on the part's side, far side on the other; paste and mask are expansions set on the pad)
450V_40mm_10mm [mm]
  round 4.4 hole 2.2: 1(0,0) 2(10,0)
  round 3.5 hole 2.5: ""(6.7,-4.75)
  silkscreen extent -15,-20 25,20, body extent -15,-19.99 25.01,19.99, height 80
0805_A [mm] "Chip LED, 2-Leads, Body 2.0x1.3mm, IPC Medium Density"
  rect 1.1x1.2 smd: 1(-1.05,0) 2(1.05,0)
  silkscreen extent -0.15,-0.5 0.15,0.5, body extent -1,-0.62 1,0.63, height 0.8
1206_A [mm] "Chip LED, 2-Leads, Body 3.2x1.6mm, IPC Medium Density"
  rect 1.4x1.5 smd: 1(-1.5,0) 2(1.5,0)
  silkscreen extent -0.5,-0.67 0.6,0.65, body extent -1.6,-0.8 1.6,0.8, height 0.69
61202021621 [mm] "20 pins, straight, gold plating"
  rect 1.6x1.6 hole 1.1: 1(-11.43,-1.27)
  round 1.6 hole 1.1: 2(-11.43,1.27) 3(-8.89,-1.27) 4(-8.89,1.27) 5(-6.35,-1.27) 6(-6.35,1.27) 7(-3.81,-1.27) 8(-3.81,1.27) 9(-1.27,-1.27) 10(-1.27,1.27) 11(1.27,-1.27) 12(1.27,1.27) 13(3.81,-1.27) 14(3.81,1.27) 15(6.35,-1.27) 16(6.35,1.27) 17(8.89,-1.27) 18(8.89,1.27) 19(11.43,-1.27) 20(11.43,1.27)
  silkscreen extent -16.63,-4.5 16.63,4.5, body extent -16.53,-4.42 16.53,4.75, height 9.13
61900211121 [mm] "2.54mm Male Locking Header, 2p"
  rect 1.5x1.5 hole 1: 1(1.27,0.3)
  round 1.5 hole 1: 2(-1.27,0.3)
  silkscreen extent -2.71,-3.52 2.71,2.98, body extent -2.54,-2.9 2.54,2.9, height 11.53
68800411622 [mm] "2.50mm ¡°J¡± Type Vertical Male Shrouded Header, 4p"
  rect 1.5x1.5 hole 1: 1(-3.75,0.3)
  round 1.5 hole 1: 2(-1.25,0.3) 3(1.25,0.3) 4(3.75,0.3)
  silkscreen extent -6.4,-2 6.4,2.63, body extent -6.25,-1.9 6.25,1.9, height 6.03
418121270804 [mm] "2.54 mm small compact SMD with raised actuator, 04p"
  rect 1.1x2.2 smd: 1(-3.81,-4.4) 2(-1.27,-4.4) 3(1.27,-4.4) 4(3.81,-4.4) 5(3.81,4.4) 6(1.27,4.4) 7(-1.27,4.4) 8(-3.81,4.4)
  silkscreen extent -5.55,-3 5.55,3, body extent -5.3,-4.85 5.3,4.85, height 4.41
645006114822 [mm] "3.96mm Male Locking Header, 6p"
  rect 2.7x2.7 hole 1.8: 1(9.9,0.225)
  round 2.7 hole 1.8: 2(5.94,0.225) 3(1.98,0.225) 4(-1.98,0.225) 5(-5.94,0.225) 6(-9.9,0.225)
  silkscreen extent -12.06,-5.45 12.65,5.45, body extent -11.93,-5.38 11.93,5.38, height 13.89
696103201002 [mm] "FUSEHOLDER BLOCKS - PCB - CLIP COVER - THR"
  round 3 hole 1.5: 1(-11.25,0) 2(11.25,0)
  silkscreen extent -11.2,-4.8 11.2,4.8, body extent -12.05,-4.8 12.05,4.8, height 11.55
A81-A600X [mm]
  round 3.2 hole 1.4: 1(0,0) 2(14,0)
  silkscreen extent -2,-4 16,4, body extent -0.4,-4 14.4,4, height 8
BARRIER_STRIP_2 [mm]
  rrect50% 5x5 hole 2: 1(0,0) 2(9.525,0)
  silkscreen extent -5.45,-13.23 14.97,4.62, body extent -5.4,-13.13 15.2,4.65, height 16.76
BARRIER_STRIP_3 [mm]
  rrect50% 5x5 hole 2: 1(0,0) 2(9.525,0) 3(19.05,0)
  silkscreen extent -5.45,-13.23 24.73,4.62, body extent -5.55,-13.12 24.57,4.66, height 16.76
BOUR-3314J-1_V [mm] "SMD, 3-Leads, Body 4.5x4.5mm, Pitch 1.15mm"
  rect 1.3x2 smd: 1(-1.15,2) 3(1.15,2)
  rect 2x2 smd: 2(0,-2)
  silkscreen extent -2.25,-2.25 2.25,3.67, body extent -2.5,-2.5 2.5,2.5, height 2.72
CHOKE_40MM [mm]
  rrect50% 5x5 hole 2.4: 1(0,-10) 2(20,-10) 3(0,0) 4(20,0)
  silkscreen extent -4,-30 24,20, body extent -1.05,-29.5 20.95,19.5, height 54.5
DBV0005A_M [mm] "SOT23, 5-Leads, Body 3.05x1.75mm, Pitch 0.95mm, IPC Low Density"
  rrect15% 1.2x0.65 smd: 1(-1.475,0.95) 2(-1.475,0) 3(-1.475,-0.95) 4(1.475,-0.95) 5(1.475,0.95)
  silkscreen extent -1.6,-1.55 0.5,1.95, body extent -1.42,-1.46 1.42,1.46, height 1.08
DBZ0003A_M [mm] "SOT23, 3-Leads, Body 3.04x1.4mm, Pitch 0.95mm, IPC Low Density"
  rrect15% 1.2x0.65 smd: 1(-1.3,0.95) 2(-1.3,-0.95) 3(1.3,0)
  silkscreen extent -1.42,-1.5 0.7,1.95, body extent -1.26,-1.46 1.26,1.46, height 0.96
DCY0004A_L [mm] "SOT223, 4-Leads, Body 6.7x3.7mm, Pitch 2.3mm, IPC High Density"
  rrect11% 1.45x0.9 smd: 1(-3.075,2.3) 2(-3.075,0) 3(-3.075,-2.3)
  rrect7% 1.45x3.15 smd: 4(3.075,0)
  silkscreen extent -3.2,-3.35 2.05,3.43, body extent -3.5,-3.25 3.5,3.25, height 1.62
DIOD-SOT23-3_D_V [mm] "SOT23, 3-Leads, Body 3x1.40mm, Pitch 0.95mm"
  rect 0.9x0.8 smd: 1(-1,0.95) 2(-1,-0.95) 3(1,0)
  silkscreen extent -1.12,-1.5 0.7,2.02, body extent -1.25,-1.5 1.25,1.5, height 1.17
DIOM4226X22N [mm] "Molded Diode, 2-Leads, Body 4.25x2.64mm, IPC Medium Density"
  rect 2.45x2 smd: 1(-1.8,0) 2(1.8,0)
  silkscreen extent -2,-1.4 2.9,1.67, body extent -2.21,-1.37 2.22,1.37, height 2.25
FAIR-MDIP-4_V [mm] "SMD, 4-Leads, Body 6.5x4.6mm, Pitch 2.54mm"
  rect 1.3x1.5 smd: 1(-4.6,1.27) 2(-4.6,-1.27) 3(4.6,-1.27) 4(4.6,1.27)
  silkscreen extent -4.73,-2.3 3.25,2.69, body extent -5.08,-2.3 5.08,2.3, height 3.85
INF-PG-TO247-2-MOD [mm] "FM, 3-Leads, Body 5.02x15.94mm, Pitch 5.44mm"
  round 2.5 hole 2.2: 1(-10,5.44) 1(0,5.44) 2(-5,0) 2(0,0) 3(-10,-5.44) 3(0,-5.44)
  rrect50% 14x3.2 hole 2.2: 1(-5,5.44) 3(-5,-5.44)
  rrect50% 9x3.2 all layers, no hole: 2(-2.5,0)
  silkscreen extent -2.56,-8.1 3.24,8.1, body extent -2.5,-7.95 2.81,7.95, height 27.5
INF-PG-TO247-3-44#1 [mm] "FM, 3-Leads, Body 5.02x15.94mm, Pitch 5.44mm"
  rrect50% 4x3.2 hole 2: 1(0,5.44) 2(0,0) 3(0,-5.44)
  silkscreen extent -2.56,-8.1 3.24,8.87, body extent -2.33,-7.96 2.7,7.94, height 26.54
INF-PG-TO247-3-44#2 [mm] "FM, 3-Leads, Body 5.02x15.94mm, Pitch 5.44mm"
  rrect50% 4x3.2 hole 2 mask+0.05: 1(0,5.44)
  rrect50% 4x3.2 hole 2: 2(0,0) 3(0,-5.44)
  silkscreen extent -2.56,-8.1 3.24,8.88, body extent -2.33,-7.96 2.7,7.94, height 26.54
L18_W6_H12_P15 [mm] "THT Film Capacitors, body 18x6mm"
  round 1.65 hole 1.1: 1(-7.5,0) 2(7.5,0)
  silkscreen extent -9.75,-3.5 9.75,3.5, body extent -9,-3 9,3, height 12.05
L26_W11_H20_P22.5_CS [mm] "Film Capacitors, 26x11x20mm"
  round 1.65 hole 1.1: 1(-11.25,0) 2(11.25,0)
  silkscreen extent -13.25,-5.75 13.25,5.75, body extent -13,-5.5 13,5.5, height 20.05